# Altium PCB PowerBoard.PcbDoc (part 4 of 4)
Units mm, origin at the board's own origin, x right, y up, seen from the top; angles counter-clockwise.
Board outline 214 x 155 mm, 4 copper layers (Top Layer, GND, VCC, Bottom Layer), stack 0.603 mm thick; 425 components, 261 nets, 1488 pads, 825 vias.
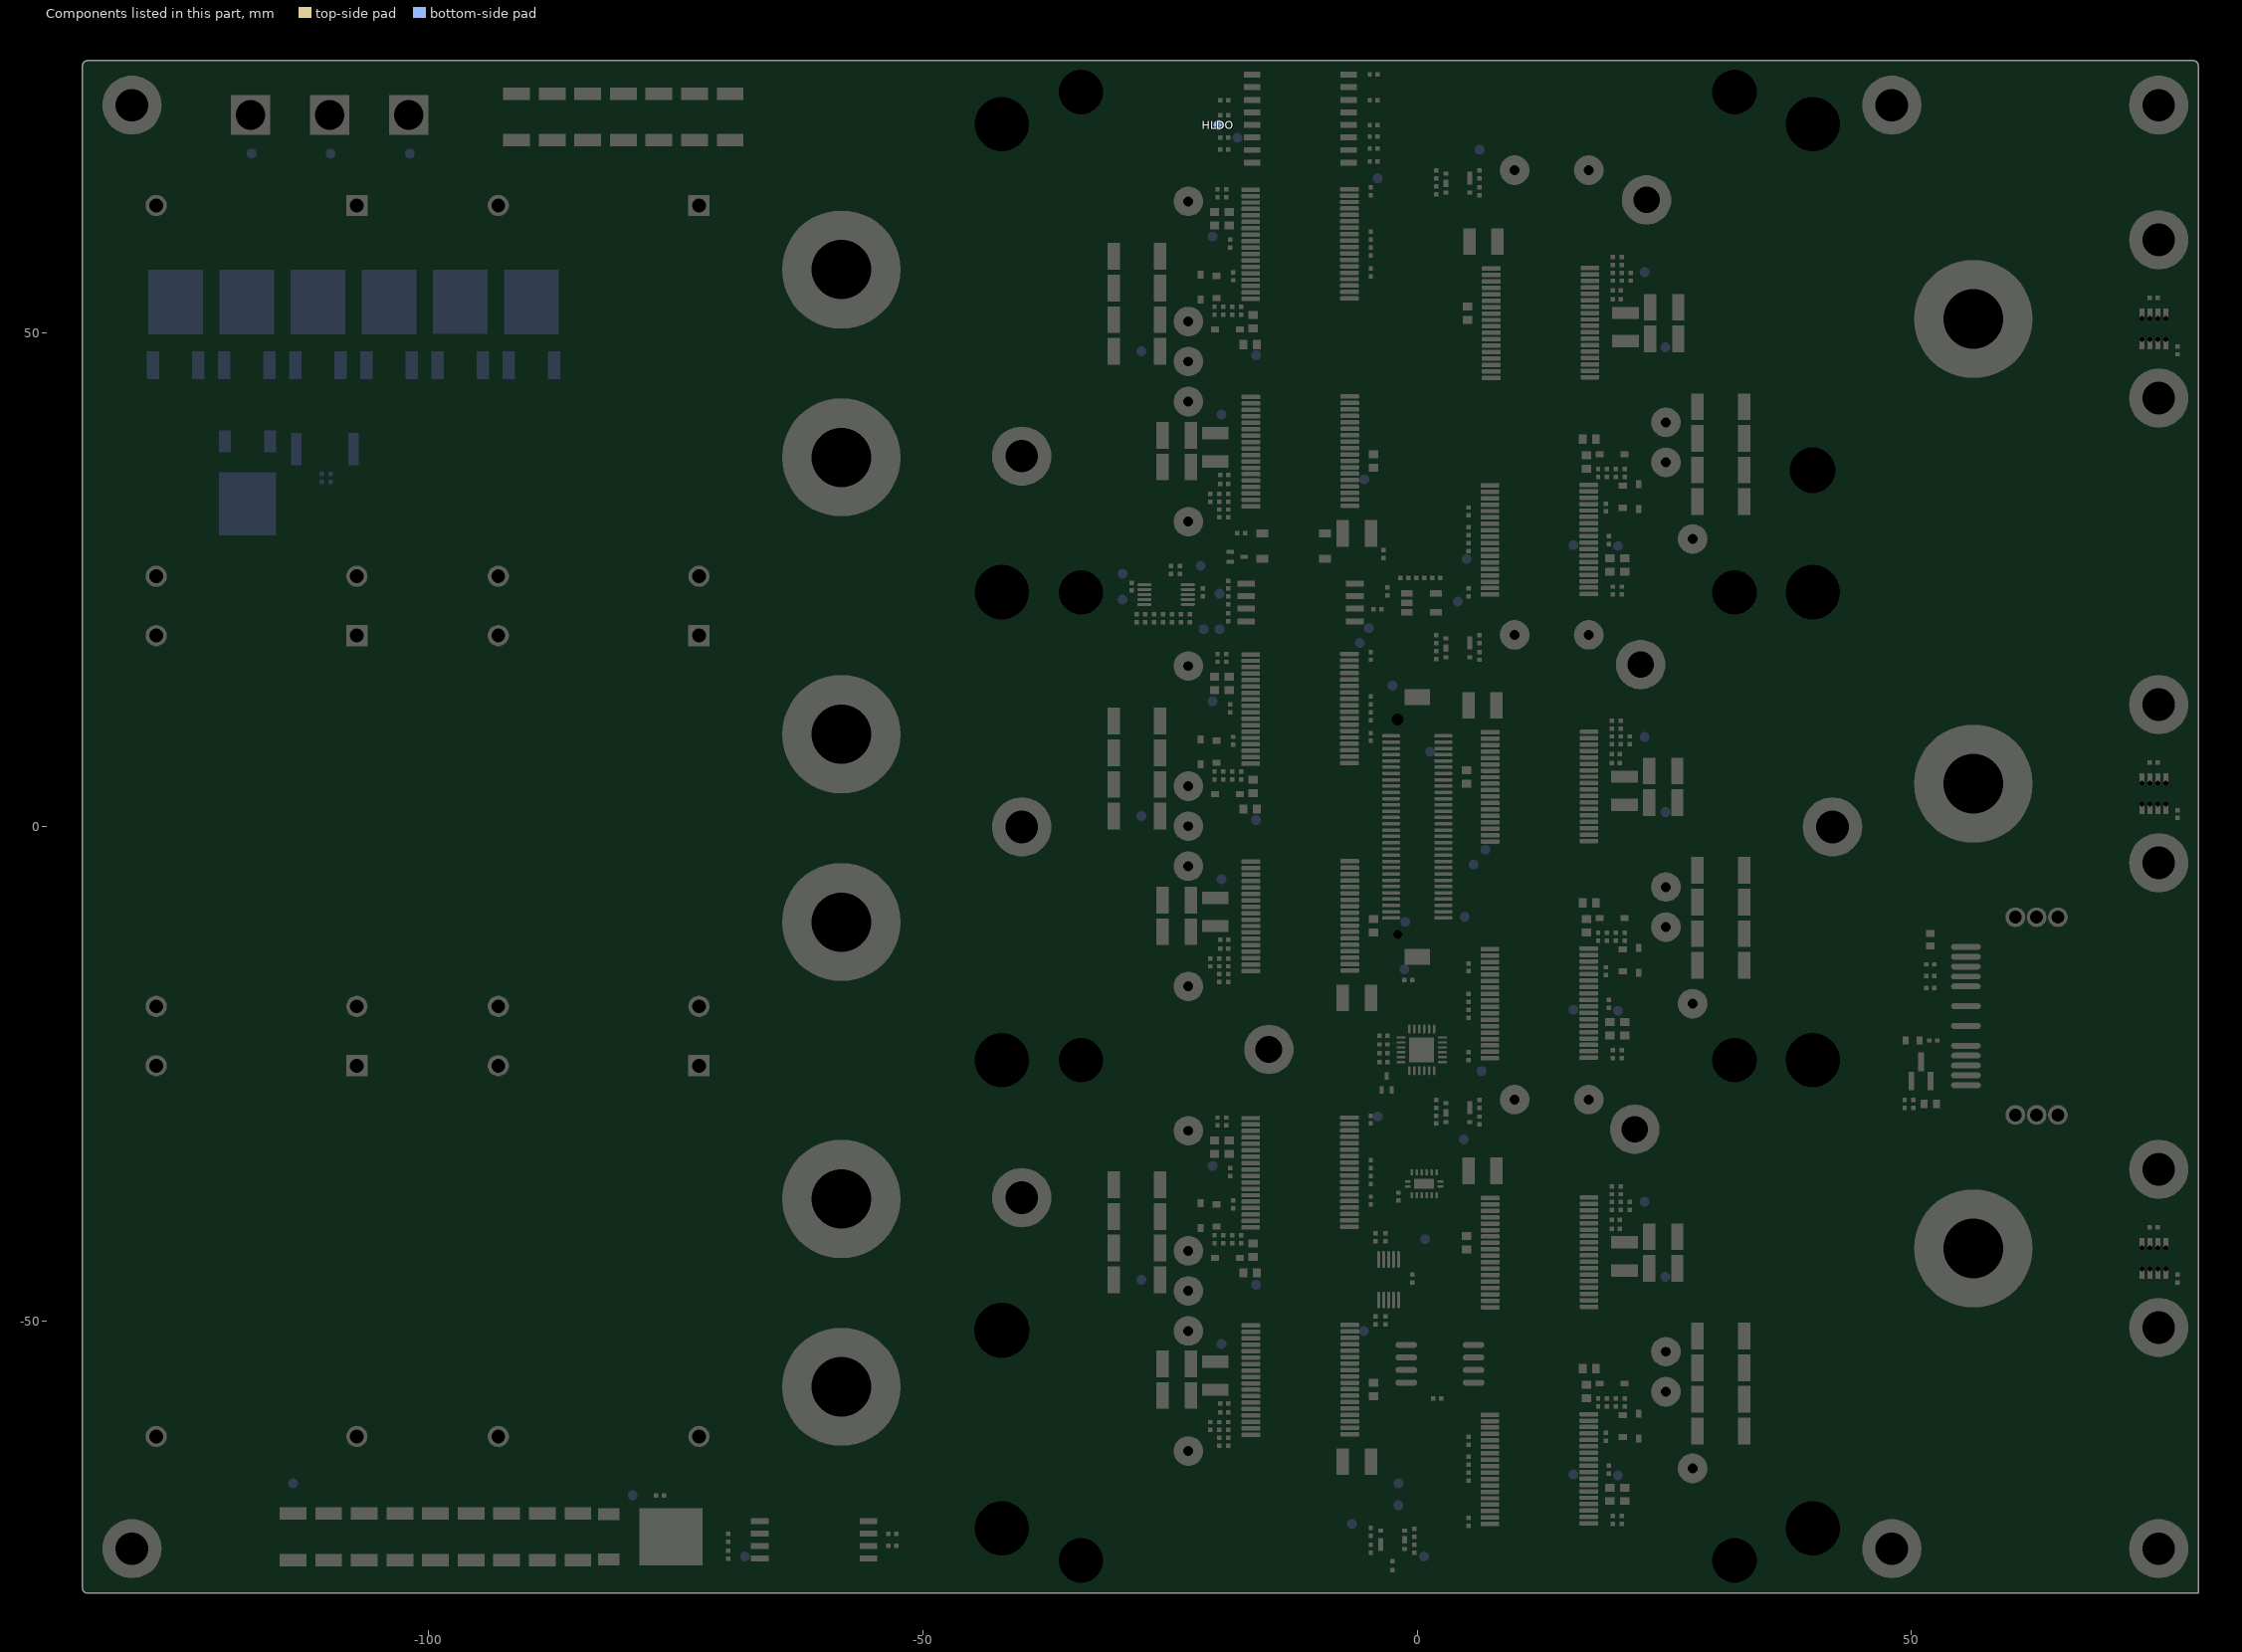
[diagram p6: the components of this part, seen from the top]

## Polygon pours and split planes (outlines as drawn) (continued)
DRV_VDD_DRVL2 on Top Layer "NONET_L01_P-001" (solid, pour order 371): -15.825,-9 -23.925,-9 -23.925,-12.1 -21.225,-12.1 -21.225,-10.8 -18.525,-10.8 -18.525,-10.3 -15.825,-10.3
NetC7_DRVL2_1 on Top Layer "NONET_L01_P-001" (solid, pour order 370): -15.6,17.1 -18.6,17.1 -18.6,16 -21.2,16 -21.2,14.4 -18,14.4 -18,16.5 -15.6,16.5
DRV_VEE_DRVL2 on Top Layer "NONET_L01_P-001" (solid, pour order 369): -15.6,17.1 -15.6,10.6 -17.9,10.6 -17.9,10 -15,10 -15,18 -21.2,18 -21.2,17.1
NetD1_DRVL2_2 on Top Layer "NONET_L01_P-001" (solid, pour order 368): -18.4,2.85 -17.4,2.85 -17.4,5.138 -18.4,5.138
DRV_COM_DRVL2 on Top Layer "NONET_L01_P-001" (solid, pour order 367): 19 vertices, not listed, extent -24.7,-2.4 -15.9,5.7
NetD1_DRVL2_1 on Top Layer "NONET_L01_P-001" (solid, pour order 366): -19.7,7.1 -21.4,7.1 -21.4,2.9 -19.7,2.9 -19.7,4.5 -20.8,4.5 -20.8,5.9 -19.7,5.9
NetC1_DRVL2_1 on Top Layer "NONET_L01_P-001" (solid, pour order 365): -19.2,8 -19.2,9.3 -22.8,9.3 -22.8,7.1 -19.7,7.1 -19.7,5.9 -20.8,5.9 -20.8,5.3 -19,5.3 -19,6.618 -18.918,6.7 -17.8,6.7 -17.8,7.4 -15,7.4 -15,8
DRV_VDD_DRVL2 on Top Layer "NONET_L01_P-001" (solid, pour order 364): -17.8,7.4 -15,7.4 -15,-2.4 -16.8,-2.4 -16.8,2.8 -15.9,2.8 -15.9,4 -17.2,4 -17.2,6.1 -15.862,6.1 -15.862,6.7 -17.8,6.7
NetC2_DRVL2_1 on Top Layer "NONET_L01_P-001" (solid, pour order 363): -15.7,6.7 -19,6.7 -19,5.3 -17.2,5.3 -17.2,6.1 -15.7,6.1
NetC4_DRVL2_2 on Top Layer "NONET_L01_P-001" (solid, pour order 362): -19.3,12.8 -19.3,11.9 -15.8,11.9 -15.8,12.6 -18.2,12.6 -18.4,12.8
DRV_COM_DRVL2 on Top Layer "NONET_L01_P-001" (solid, pour order 361): -15.8,11.9 -19.3,11.9 -19.3,12.8 -18,12.8 -18,14.4 -21.2,14.4 -21.2,11.3 -15.8,11.3
DRV_VDD_DRVL3 on Top Layer "NONET_L01_P-001" (solid, pour order 360): -23,33.3 -20.5,33.3 -20.5,32.3 -23,32.3
DRV_VEE_DRVL3 on Top Layer "NONET_L01_P-001" (solid, pour order 182): -15.825,36.573 -18.525,36.573 -18.525,35.344 -15.825,35.344 -15.825,33.3 -20.425,33.3 -20.425,31.7 -15,31.7 -15,44.6 -20.725,44.6 -20.725,41.1 -23.925,41.1 -23.925,38 -15.825,38
DRV_COM_DRVL3 on Top Layer "NONET_L01_P-001" (solid, pour order 164): -23.925,41.1 -20.725,41.1 -20.725,45.1 -26.9,45.1 -26.9,34.1 -19.525,34.1 -19.525,36.2 -21.225,36.2 -21.225,34.9 -23.925,34.9
DRV_VDD_DRVL3 on Top Layer "NONET_L01_P-001" (solid, pour order 159): -15.825,38 -23.925,38 -23.925,34.9 -21.225,34.9 -21.225,36.2 -18.525,36.2 -18.525,36.7 -15.825,36.7
IS_FBVEE_ISU6 on Top Layer "NONET_L01_P-001" (solid, pour order 170): -20.425,31.7 -20.425,30.5 -15,30.5 -15,31.7
DRV_COM_DRVL3 on Top Layer "NONET_L01_P-001" (solid, pour order 104): -15.8,58.9 -19.3,58.9 -19.3,59.8 -18,59.8 -18,61.4 -21.2,61.4 -21.2,58.3 -15.8,58.3
NetC4_DRVL3_2 on Top Layer "NONET_L01_P-001" (solid, pour order 105): -19.3,59.8 -19.3,58.9 -15.8,58.9 -15.8,59.6 -18.2,59.6 -18.4,59.8
DRV_VDD_DRVL3 on Top Layer "NONET_L01_P-001" (solid, pour order 108): -17.8,54.4 -15,54.4 -15,44.6 -16.8,44.6 -16.8,49.8 -15.9,49.8 -15.9,51 -17.2,51 -17.2,53.1 -15.862,53.1 -15.862,53.7 -17.8,53.7
NetC2_DRVL3_1 on Top Layer "NONET_L01_P-001" (solid, pour order 107): -15.7,53.7 -19,53.7 -19,52.3 -17.2,52.3 -17.2,53.1 -15.7,53.1
NetC1_DRVL3_1 on Top Layer "NONET_L01_P-001" (solid, pour order 111): -19.2,55 -19.2,56.3 -22.8,56.3 -22.8,54.1 -19.7,54.1 -19.7,52.9 -20.8,52.9 -20.8,52.3 -19,52.3 -19,53.618 -18.918,53.7 -17.8,53.7 -17.8,54.4 -15,54.4 -15,55
NetD1_DRVL3_1 on Top Layer "NONET_L01_P-001" (solid, pour order 119): -19.7,54.1 -21.4,54.1 -21.4,49.9 -19.7,49.9 -19.7,51.5 -20.8,51.5 -20.8,52.9 -19.7,52.9
NetD1_DRVL3_2 on Top Layer "NONET_L01_P-001" (solid, pour order 135): -18.4,49.85 -17.4,49.85 -17.4,52.138 -18.4,52.138
DRV_VEE_DRVL3 on Top Layer "NONET_L01_P-001" (solid, pour order 141): -15.6,64.1 -15.6,57.6 -17.9,57.6 -17.9,57 -15,57 -15,65 -21.2,65 -21.2,64.1
NetC7_DRVL3_1 on Top Layer "NONET_L01_P-001" (solid, pour order 147): -15.6,64.1 -18.6,64.1 -18.6,63 -21.2,63 -21.2,61.4 -18,61.4 -18,63.5 -15.6,63.5
NetR9_DRVL3_2 on Top Layer "NONET_L01_P-001" (solid, pour order 195): -29.95,56.1 -29.95,59.3 -32.55,59.3 -32.55,46.5 -29.95,46.5 -29.95,49.7 -31.55,49.7 -31.55,56.1
NetR7_DRVL3_2 on Top Layer "NONET_L01_P-001" (solid, pour order 196): -29.95,49.7 -31.55,49.7 -31.55,56.1 -29.95,56.1
DRV_COM_DRVL3 on Top Layer "NONET_L01_P-001" (solid, pour order 237): -21.2,63 -18.6,63 -18.6,64.1 -21.2,64.1
DRV_COM_DRVL3 on Top Layer "NONET_L01_P-001" (solid, pour order 129): 19 vertices, not listed, extent -24.7,44.6 -15.9,52.7
DRV_VDD_DRVH1 on Top Layer "NONET_L01_P-001" (solid, pour order 359): 21.3,-37.4 23.5,-37.4 23.5,-38.4 21.3,-38.4
NetR7_DRVH1_2 on Top Layer "NONET_L01_P-001" (solid, pour order 357): 32.3,-53.1 33.9,-53.1 33.9,-59.5 32.3,-59.5
NetR9_DRVH1_2 on Top Layer "NONET_L01_P-001" (solid, pour order 353): 32.3,-59.5 32.3,-62.7 34.9,-62.7 34.9,-49.9 32.3,-49.9 32.3,-53.1 33.9,-53.1 33.9,-59.5
IS_FBVEE_ISU1 on Top Layer "NONET_L01_P-001" (solid, pour order 343): 21.075,-36.75 21.075,-35.55 15.5,-35.55 15.5,-36.75
DRV_COM_DRVH1 on Top Layer "NONET_L01_P-001" (solid, pour order 342): 21.875,-41.25 20.175,-41.25 20.175,-39.15 27.275,-39.15 27.275,-49.9 24.575,-49.9 24.575,-39.95 21.875,-39.95
DRV_VDD_DRVH1 on Top Layer "NONET_L01_P-001" (solid, pour order 341): 16.475,-43.05 24.575,-43.05 24.575,-39.95 21.875,-39.95 21.875,-41.25 19.175,-41.25 19.175,-41.75 16.475,-41.75
NetC7_DRVH1_1 on Top Layer "NONET_L01_P-001" (solid, pour order 340): 16.1,-70.1 19.1,-70.1 19.1,-69 21.7,-69 21.7,-67.4 18.5,-67.4 18.5,-69.5 16.1,-69.5
NetD1_DRVH1_2 on Top Layer "NONET_L01_P-001" (solid, pour order 338): 18.9,-55.85 17.9,-55.85 17.9,-58.138 18.9,-58.138
NetD1_DRVH1_1 on Top Layer "NONET_L01_P-001" (solid, pour order 336): 20.2,-60.1 21.9,-60.1 21.9,-55.9 20.2,-55.9 20.2,-57.5 21.3,-57.5 21.3,-58.9 20.2,-58.9
NetC1_DRVH1_1 on Top Layer "NONET_L01_P-001" (solid, pour order 335): 19.7,-61 19.7,-62.3 23.3,-62.3 23.3,-60.1 20.2,-60.1 20.2,-58.9 21.3,-58.9 21.3,-58.3 19.5,-58.3 19.5,-59.618 19.418,-59.7 18.3,-59.7 18.3,-60.4 15.5,-60.4 15.5,-61
DRV_VEE_DRVH1 on Top Layer "NONET_L01_P-001" (solid, pour order 334): 16.475,-41.623 19.175,-41.623 19.175,-40.395 16.475,-40.395 16.475,-38.35 21.075,-38.35 21.075,-36.75 15.5,-36.75 15.5,-49.9 24.575,-49.9 24.575,-43.05 16.475,-43.05
NetC2_DRVH1_1 on Top Layer "NONET_L01_P-001" (solid, pour order 333): 16.2,-59.7 19.5,-59.7 19.5,-58.3 17.7,-58.3 17.7,-59.1 16.2,-59.1
DRV_VDD_DRVH1 on Top Layer "NONET_L01_P-001" (solid, pour order 332): 18.3,-60.4 15.5,-60.4 15.5,-49.9 17.3,-49.9 17.3,-55.8 16.4,-55.8 16.4,-57 17.7,-57 17.7,-59.1 16.362,-59.1 16.362,-59.7 18.3,-59.7
NetC4_DRVH1_2 on Top Layer "NONET_L01_P-001" (solid, pour order 331): 19.8,-65.8 19.8,-64.9 16.3,-64.9 16.3,-65.6 18.7,-65.6 18.9,-65.8
DRV_COM_DRVH1 on Top Layer "NONET_L01_P-001" (solid, pour order 330): 22.6,-67.4 22.6,-70.1 19.1,-70.1 19.1,-69 21.7,-69 21.7,-67.4 18.5,-67.4 18.5,-65.8 19.8,-65.8 19.8,-64.9 16.3,-64.9 16.3,-64.3 22.6,-64.3
DRV_VDD_DRVH2 on Top Layer "NONET_L01_P-001" (solid, pour order 329): 21.3,9.6 23.5,9.6 23.5,8.6 21.3,8.6
NetR7_DRVH2_2 on Top Layer "NONET_L01_P-001" (solid, pour order 327): 32.3,-6.1 33.9,-6.1 33.9,-12.5 32.3,-12.5
NetR9_DRVH2_2 on Top Layer "NONET_L01_P-001" (solid, pour order 326): 32.3,-12.5 32.3,-15.7 34.9,-15.7 34.9,-2.9 32.3,-2.9 32.3,-6.1 33.9,-6.1 33.9,-12.5
IS_FBVEE_ISU3 on Top Layer "NONET_L01_P-001" (solid, pour order 320): 21.075,10.25 21.075,11.45 15.5,11.45 15.5,10.25
DRV_COM_DRVH2 on Top Layer "NONET_L01_P-001" (solid, pour order 319): 21.875,5.75 20.175,5.75 20.175,7.85 27.275,7.85 27.275,-2.9 24.575,-2.9 24.575,7.05 21.875,7.05
DRV_VDD_DRVH2 on Top Layer "NONET_L01_P-001" (solid, pour order 318): 16.475,3.95 24.575,3.95 24.575,7.05 21.875,7.05 21.875,5.75 19.175,5.75 19.175,5.25 16.475,5.25
NetC7_DRVH2_1 on Top Layer "NONET_L01_P-001" (solid, pour order 317): 16.1,-23.1 19.1,-23.1 19.1,-22 21.7,-22 21.7,-20.4 18.5,-20.4 18.5,-22.5 16.1,-22.5
DRV_VEE_DRVH2 on Top Layer "NONET_L01_P-001" (solid, pour order 316): 16.5,-23.1 16.5,-16.6 18.4,-16.6 18.4,-16 15.5,-16 15.5,-24 22.6,-24 22.6,-23.1
NetD1_DRVH2_2 on Top Layer "NONET_L01_P-001" (solid, pour order 315): 18.9,-8.85 17.9,-8.85 17.9,-11.138 18.9,-11.138
NetD1_DRVH2_1 on Top Layer "NONET_L01_P-001" (solid, pour order 313): 20.2,-13.1 21.9,-13.1 21.9,-8.9 20.2,-8.9 20.2,-10.5 21.3,-10.5 21.3,-11.9 20.2,-11.9
NetC1_DRVH2_1 on Top Layer "NONET_L01_P-001" (solid, pour order 312): 19.7,-14 19.7,-15.3 23.3,-15.3 23.3,-13.1 20.2,-13.1 20.2,-11.9 21.3,-11.9 21.3,-11.3 19.5,-11.3 19.5,-12.618 19.418,-12.7 18.3,-12.7 18.3,-13.4 15.5,-13.4 15.5,-14
DRV_VEE_DRVH2 on Top Layer "NONET_L01_P-001" (solid, pour order 311): 16.475,5.377 19.175,5.377 19.175,6.605 16.475,6.605 16.475,8.65 21.075,8.65 21.075,10.25 15.5,10.25 15.5,-2.9 24.575,-2.9 24.575,3.95 16.475,3.95
NetC2_DRVH2_1 on Top Layer "NONET_L01_P-001" (solid, pour order 310): 16.2,-12.7 19.5,-12.7 19.5,-11.3 17.7,-11.3 17.7,-12.1 16.2,-12.1
DRV_VDD_DRVH2 on Top Layer "NONET_L01_P-001" (solid, pour order 309): 18.3,-13.4 15.5,-13.4 15.5,-2.9 17.3,-2.9 17.3,-8.8 16.4,-8.8 16.4,-10 17.7,-10 17.7,-12.1 16.362,-12.1 16.362,-12.7 18.3,-12.7
NetC4_DRVH2_2 on Top Layer "NONET_L01_P-001" (solid, pour order 308): 19.8,-18.8 19.8,-17.9 16.3,-17.9 16.3,-18.6 18.7,-18.6 18.9,-18.8
DRV_COM_DRVH2 on Top Layer "NONET_L01_P-001" (solid, pour order 307): 22.6,-20.4 22.6,-23.1 19.1,-23.1 19.1,-22 21.7,-22 21.7,-20.4 18.5,-20.4 18.5,-18.8 19.8,-18.8 19.8,-17.9 16.3,-17.9 16.3,-17.3 22.6,-17.3
DRV_VDD_DRVH3 on Top Layer "NONET_L01_P-001" (solid, pour order 306): 21.3,56.6 23.5,56.6 23.5,55.6 21.3,55.6
NetC26_2 on Top Layer "NONET_L01_P-001" (solid, pour order 90): -15.6,74.2 -15.6,75.3 -20.8,75.3 -20.8,76.5 -15.2,76.5 -15.2,73 -19.5,73 -19.5,74.2
N on Top Layer "NONET_L01_P-001" (solid, pour order 305): -19.5,69.3 -20.8,69.3 -20.8,75.2 -15.8,75.2 -15.8,74.2 -19.5,74.2
N on Top Layer "NONET_L01_P-001" (solid, pour order 304): -19.5,68.2 -17.8,68.2 -17.8,69.3 -15.7,69.3 -15.7,66.8 -19.5,66.8
GND on Top Layer "NONET_L01_P-001" (solid, pour order 279): 3.4,-23.2 8.4,-23.2 8.4,-24.3 3.4,-24.3
GND on Top Layer "NONET_L01_P-001" (solid, pour order 207): 8.4,-23.1 3.9,-23.1 3.9,-23.9 8.4,-23.9
+3V3 on Top Layer "NONET_L01_P-001" (solid, pour order 295): -2.3,-37.3 -2.3,-35.5 -0.5,-35.5 -0.5,-36.1 -1.5,-36.1 -1.5,-37.3
GND on Top Layer "NONET_L01_P-001" (solid, pour order 294): -5,-35.6 -4.4,-35.6 -4.4,-34.875 -3.3,-34.875 -3.3,-36.3 -5,-36.3
GND on Top Layer "NONET_L01_P-001" (solid, pour order 292): -5,58.2 -3.3,58.2 -3.3,57.5 -5,57.5
GND on Top Layer "NONET_L01_P-001" (solid, pour order 290): 4.9,29 4.1,29 4.1,30.6 5.5,30.6 5.5,29.9 4.9,29.9
+3V3 on Top Layer "NONET_L01_P-001" (solid, pour order 209): 8.3,29.6 5.5,29.6 5.5,29.9 4.9,29.9 4.9,29 8.3,29
GND on Top Layer "NONET_L01_P-001" (solid, pour order 289): 4.8,-17.3 6.55,-17.3 6.55,-16.55 6.1,-16.1 4.8,-16.1
+3V3 on Top Layer "NONET_L01_P-001" (solid, pour order 211): 8.3,-17.3 4.8,-17.3 4.8,-18.1 5.5,-18.1 8.3,-18.1
GND on Top Layer "NONET_L01_P-001" (solid, pour order 229): 4.4,3.65 6.35,3.65 6.35,-1.8 9.2,-1.8 9.2,15.4 4.4,15.4
GND on Top Layer "NONET_L01_P-001" (solid, pour order 266): 0.3,-26.8 0.3,-30.4 6.721,-30.4 6.721,-26.8
GND on Top Layer "NONET_L01_P-001" (solid, pour order 267): 0.3,67.2 0.3,63.6 6.721,63.6 6.721,67.2
NetC36_1 on Top Layer "NONET_L01_P-001" (solid, pour order 288): -2.6,70.562 -2.6,68.3 -3.5,68.3 -4.4,68.3 -4.4,70.562
NetC36_2 on Top Layer "NONET_L01_P-001" (solid, pour order 100): -4.4,69.2 -5.2,69.2 -5.2,68 -4.4,68 -4.4,66.1 -2.6,66.1 -2.6,68.3 -4.4,68.3
GND on Top Layer "NONET_L01_P-001" (solid, pour order 287): -4.4,71.7 -2.6,71.7 -2.6,70.562 -4.4,70.562
+3V3 on Top Layer "NONET_L01_P-001" (solid, pour order 256): -8.3,71.7 -6,71.7 -6,72.8 -4.4,72.8 -4.4,74.3 -2.6,74.3 -2.6,71.7 -4.4,71.7 -4.4,70.4 -8.3,70.4
NetP1_42 on Top Layer "NONET_L01_P-001" (solid, pour order 250): -5.838,72.8 -5.838,72.3 -4.4,72.3 -4.4,74.3 -8,74.3 -8,72.8
NetC6_DRVH3_2 on Top Layer "NONET_L01_P-001" (solid, pour order 285): 8.4,23.8 4.8,23.8 4.8,24.5 8.4,24.5
GND on Top Layer "NONET_L01_P-001" (solid, pour order 283): 6.4,-11.1 9.2,-11.1 9.2,-12.6 6.4,-12.6
NetC6_DRVH2_2 on Top Layer "NONET_L01_P-001" (solid, pour order 205): 8.4,-23.1 3.9,-23.1 3.9,-22.4 8.4,-22.4
GND on Top Layer "NONET_L01_P-001" (solid, pour order 282): 2.1,-55.5 7,-55.5 7,-56.7 2.1,-56.7 2.1,-59.75 8.4,-59.75 8.4,-51.8 2.1,-51.8
NetC6_DRVH1_2 on Top Layer "NONET_L01_P-001" (solid, pour order 206): 8.4,-70.2 3.9,-70.2 3.9,-69.5 8.4,-69.5
NetC6_DRVL1_2 on Top Layer "NONET_L01_P-001" (solid, pour order 200): -7.9,-29.7 -3.4,-29.7 -3.4,-30.4 -7.9,-30.4
GND on Top Layer "NONET_L01_P-001" (solid, pour order 281): 8.3,34.3 5.5,34.3 5.5,35.8 8.3,35.8
+3V3 on Top Layer "NONET_L01_P-001" (solid, pour order 91): 4.2,23.2 1.2,23.2 1.2,24.3 1.9,24.3 1.9,25.75 4.2,25.75
+3V3 on Top Layer "NONET_L01_P-001" (solid, pour order 277): 1.6,-14.9 -0.8,-14.9 -0.8,-15.9 2.8,-15.9 2.8,-13.1 5.5,-13.1 5.5,-5.1 1.6,-5.1
+24V on Top Layer "NONET_L01_P-001" (solid, pour order 95): -4.4,-5.1 -0.8,-5.1 -0.8,-10.2 -3.7,-10.2 -3.7,-8.6 -4.4,-8.6
GND on Top Layer "NONET_L01_P-001" (solid, pour order 236): 4.5,45.1 9.3,45.1 9.3,61.6 4.5,61.6
+24V on Top Layer "Top Layer-No Net" (solid, pour order 125): 9.3,52.2 9.3,61.6 6.7,61.6 6.7,56.7 8.5,56.7 8.5,53.5 5.6,53.5 5.6,54.4 4.5,54.4 4.5,52.2
GND on Top Layer "NONET_L01_P-001" (solid, pour order 230): 4.4,-48.9 9.2,-48.9 9.2,-33.3 4.4,-33.3
GND on Top Layer "NONET_L01_P-001" (solid, pour order 218): -4.4,-5.1 -3.6,-5.1 -3.6,-2.9 -8.65,-2.9 -8.65,-19.7 -3.85,-19.7 -3.85,-8.6 -4.4,-8.6
GND on Top Layer "NONET_L01_P-001" (solid, pour order 204): -3.4,-28.4 -1.7,-28.4 -1.7,-26.3 -3.1,-26.3 -3.1,-27.5 -7.9,-27.5 -7.9,-29.7 -3.4,-29.7
GND on Top Layer "NONET_L01_P-001" (solid, pour order 208): 8.4,-70.2 3.9,-70.2 3.9,-71.8 8.4,-71.8
+3V3 on Top Layer "NONET_L01_P-001" (solid, pour order 210): 8.3,-64.2 4.8,-64.2 4.8,-64.9 5.5,-64.9 8.3,-64.9
NetC7_DRVH3_1 on Top Layer "NONET_L01_P-001" (solid, pour order 179): 16.1,23.9 19.1,23.9 19.1,25 21.7,25 21.7,26.6 18.5,26.6 18.5,24.5 16.1,24.5
DRV_VEE_DRVH3 on Top Layer "NONET_L01_P-001" (solid, pour order 176): 16.5,23.9 16.5,30.4 18.4,30.4 18.4,31 15.5,31 15.5,23 22.6,23 22.6,23.9
NetD1_DRVH3_2 on Top Layer "NONET_L01_P-001" (solid, pour order 173): 18.9,38.15 17.9,38.15 17.9,35.862 18.9,35.862
NetD1_DRVH3_1 on Top Layer "NONET_L01_P-001" (solid, pour order 161): 20.2,33.9 21.9,33.9 21.9,38.1 20.2,38.1 20.2,36.5 21.3,36.5 21.3,35.1 20.2,35.1
NetC1_DRVH3_1 on Top Layer "NONET_L01_P-001" (solid, pour order 155): 19.7,33 19.7,31.7 23.3,31.7 23.3,33.9 20.2,33.9 20.2,35.1 21.3,35.1 21.3,35.7 19.5,35.7 19.5,34.382 19.418,34.3 18.3,34.3 18.3,33.6 15.5,33.6 15.5,33
NetC2_DRVH3_1 on Top Layer "NONET_L01_P-001" (solid, pour order 149): 16.2,34.3 19.5,34.3 19.5,35.7 17.7,35.7 17.7,34.9 16.2,34.9
DRV_VDD_DRVH3 on Top Layer "NONET_L01_P-001" (solid, pour order 143): 18.3,33.6 15.5,33.6 15.5,44.1 17.3,44.1 17.3,38.2 16.4,38.2 16.4,37 17.7,37 17.7,34.9 16.362,34.9 16.362,34.3 18.3,34.3
NetC4_DRVH3_2 on Top Layer "NONET_L01_P-001" (solid, pour order 137): 19.8,28.2 19.8,29.1 16.3,29.1 16.3,28.4 18.7,28.4 18.9,28.2
DRV_COM_DRVH3 on Top Layer "NONET_L01_P-001" (solid, pour order 131): 22.6,26.6 22.6,23.9 19.1,23.9 19.1,25 21.7,25 21.7,26.6 18.5,26.6 18.5,28.2 19.8,28.2 19.8,29.1 16.3,29.1 16.3,29.7 22.6,29.7
NetR9_DRVH3_2 on Top Layer "NONET_L01_P-001" (solid, pour order 193): 32.3,34.5 32.3,31.3 34.9,31.3 34.9,44.1 32.3,44.1 32.3,40.9 33.9,40.9 33.9,34.5
NetR7_DRVH3_2 on Top Layer "NONET_L01_P-001" (solid, pour order 194): 32.3,40.9 33.9,40.9 33.9,34.5 32.3,34.5
+24V on Top Layer "NONET_L01_P-001" (solid, pour order 217): 4.4,-39.6 5.5,-39.6 5.5,-40.5 8.4,-40.5 8.4,-41.8 4.4,-41.8
IS_FBVEE_ISU5 on Top Layer "NONET_L01_P-001" (solid, pour order 191): 21.075,57.25 21.075,58.45 15.5,58.45 15.5,57.25
DRV_COM_DRVH3 on Top Layer "NONET_L01_P-001" (solid, pour order 188): 21.875,52.75 20.175,52.75 20.175,54.85 27.275,54.85 27.275,44.1 24.575,44.1 24.575,54.05 21.875,54.05
DRV_VDD_DRVH3 on Top Layer "NONET_L01_P-001" (solid, pour order 185): 16.475,50.95 24.575,50.95 24.575,54.05 21.875,54.05 21.875,52.75 19.175,52.75 19.175,52.25 16.475,52.25
DRV_VEE_DRVH3 on Top Layer "NONET_L01_P-001" (solid, pour order 153): 16.475,52.377 19.175,52.377 19.175,53.605 16.475,53.605 16.475,55.65 21.075,55.65 21.075,57.25 15.5,57.25 15.5,44.1 24.575,44.1 24.575,50.95 16.475,50.95
+24V on Top Layer "NONET_L01_P-001" (solid, pour order 216): 4.5,54.4 5.6,54.4 5.6,53.5 8.5,53.5 8.5,52.2 4.5,52.2
+3V3 on Top Layer "NONET_L01_P-001" (solid, pour order 214): -7.8,-35.6 -4.4,-35.6 -4.4,-34.8 -7.8,-34.8
GND on Top Layer "NONET_L01_P-001" (solid, pour order 265): -5.9,-41.4 -2,-41.4 -2,-40.2 -7.8,-40.2 -7.8,-42.3 -5.9,-42.3
NetC6_DRVL3_2 on Top Layer "NONET_L01_P-001" (solid, pour order 199): -7.9,64.2 -3.4,64.2 -3.4,63.5 -7.9,63.5
GND on Top Layer "NONET_L01_P-001" (solid, pour order 203): -7.9,64.2 -3.4,64.2 -3.4,65 -7.9,65
+3V3 on Top Layer "NONET_L01_P-001" (solid, pour order 213): -7.8,58.2 -5,58.2 -4.3,58.2 -4.3,59 -7.8,59
GND on Top Layer "NONET_L01_P-001" (solid, pour order 262): -7.8,53.7 -5.9,53.7 -5.9,52.3 -7.8,52.3
NetR30_2 on Top Layer "NONET_L01_P-001" (solid, pour order 257): -4.4,68 -5.2,68 -5.2,69.2 -8.3,69.2 -8.4,69.1 -8.4,67.7 -5.8,67.7 -5.8,66.8 -4.4,66.8
NetR27_2 on Top Layer "NONET_L01_P-001" (solid, pour order 99): -8.3,70.4 -4.4,70.4 -4.4,69.2 -8.3,69.2
GND on Top Layer "NONET_L01_P-001" (solid, pour order 254): -8,75.6 -4.4,75.6 -4.4,76.5 -2.6,76.5 -2.6,74.3 -8,74.3
NetC27_1 on Top Layer "NONET_L01_P-001" (solid, pour order 241): -4.4,76.5 -8.4,76.5 -8.4,71.8 -8.3,71.7 -6,71.7 -6,72.8 -8,72.8 -8,75.6 -4.4,75.6
HLDO on Top Layer "NONET_L01_P-001" (solid, pour order 240): -19.5,73 -17.8,73 -17.8,71.5 -15.7,71.5 -15.7,70.4 -19.5,70.4
NetC37_2 on Top Layer "NONET_L01_P-001" (solid, pour order 238): -19.5,68.2 -17.8,68.2 -17.8,69.3 -15.7,69.3 -15.7,70.4 -19.5,70.4
+24V on Top Layer "Top Layer-No Net 5" (solid, pour order 117): 9.2,5.3 9.2,15.4 7.2,15.4 7.2,9.8 8.4,9.8 8.4,6.6 5.5,6.6 5.5,7.5 4.4,7.5 4.4,5.3
+24V on Top Layer "NONET_L01_P-001" (solid, pour order 215): 4.4,7.5 5.5,7.5 5.5,6.6 8.4,6.6 8.4,5.3 4.4,5.3
GND on Top Layer "NONET_L01_P-001" (solid, pour order 201): -7.9,17.2 -3.4,17.2 -3.4,18 -7.9,18
NetC6_DRVL2_2 on Top Layer "NONET_L01_P-001" (solid, pour order 198): -7.9,17.2 -3.4,17.2 -3.4,16.5 -7.9,16.5
+3V3 on Top Layer "NONET_L01_P-001" (solid, pour order 464): -53.1,-70.8 -53.1,-71.9 -56.5,-71.9 -56.5,-70.8
NetR42_2 on Top Layer "NONET_L01_P-001" (solid, pour order 465): -56.5,-72.2 -53.1,-72.2 -53.1,-73.2 -56.5,-73.2
GND on Top Layer "NONET_L01_P-001" (solid, pour order 446): -56.5,-70.8 -53.1,-70.8 -53.1,-73.2 -51.5,-73.2 -51.5,-69.8 -56.5,-69.8
NetR32_1 on Top Layer "NONET_L01_P-001" (solid, pour order 445): -115.1,-73.5 -114.5,-73.5 -111.5,-70.5 -111.5,-68.8 -108.7,-68.8 -108.7,-70.1 -109.6,-70.1 -112.3,-72.8 -112.3,-74.8 -115.1,-74.8
NetR33_2 on Top Layer "NONET_L01_P-001" (solid, pour order 444): -111.5,-73.5 -110.9,-73.5 -107.9,-70.5 -107.9,-68.8 -105.1,-68.8 -105.1,-70.1 -106,-70.1 -108.7,-72.8 -108.7,-74.8 -111.5,-74.8
NetQ2_4 on Top Layer "NONET_L01_P-001" (solid, pour order 443): -86.3,-73.5 -85.7,-73.5 -83.4,-71.2 -75.2,-71.2 -75.2,-72.3 -83,-72.3 -83.5,-72.8 -83.5,-74.8 -86.3,-74.8
N on Top Layer "NONET_L01_P-001" (solid, pour order 88): -70,-73.6 -70.1,-73.7 -70.1,-75 -79.2,-75 -79.2,-73.4 -83,-73.4 -83,-76.2 -65.6,-76.2 -65.6,-73.2 -69.3,-73.2 -69.3,-73.6
NetC38_1 on Top Layer "NONET_L01_P-001" (solid, pour order 87): -70.1,-71.9 -70.1,-71.1 -65.6,-71.1 -65.6,-71.9 -69.3,-71.9
NetC38_2 on Top Layer "NONET_L01_P-001" (solid, pour order 442): -65.6,-71.9 -65.6,-73.2 -69.3,-73.2 -69.3,-73.6 -70.1,-73.6 -70.1,-71.9 -69.3,-71.9
NetR39_2 on Top Layer "NONET_L01_P-001" (solid, pour order 434): -89.9,-73.5 -89.3,-73.5 -86.3,-70.5 -86.3,-68.8 -83.5,-68.8 -83.5,-70.1 -84.4,-70.1 -87.1,-72.8 -87.1,-74.8 -89.9,-74.8
NetR38_1 on Top Layer "NONET_L01_P-001" (solid, pour order 433): -93.5,-73.5 -92.9,-73.5 -89.9,-70.5 -89.9,-68.8 -87.1,-68.8 -87.1,-70.1 -88,-70.1 -90.7,-72.8 -90.7,-74.8 -93.5,-74.8
NetR37_2 on Top Layer "NONET_L01_P-001" (solid, pour order 432): -97.1,-73.5 -96.5,-73.5 -93.5,-70.5 -93.5,-68.8 -90.7,-68.8 -90.7,-70.1 -91.6,-70.1 -94.3,-72.8 -94.3,-74.8 -97.1,-74.8
NetR36_1 on Top Layer "NONET_L01_P-001" (solid, pour order 431): -100.7,-73.5 -100.1,-73.5 -97.1,-70.5 -97.1,-68.8 -94.3,-68.8 -94.3,-70.1 -95.2,-70.1 -97.9,-72.8 -97.9,-74.8 -100.7,-74.8
NetR35_2 on Top Layer "NONET_L01_P-001" (solid, pour order 423): -104.3,-73.5 -103.7,-73.5 -100.7,-70.5 -100.7,-68.8 -97.9,-68.8 -97.9,-70.1 -98.8,-70.1 -101.5,-72.8 -101.5,-74.8 -104.3,-74.8
NetR34_1 on Top Layer "NONET_L01_P-001" (solid, pour order 422): -107.9,-73.5 -107.3,-73.5 -104.3,-70.5 -104.3,-68.8 -101.5,-68.8 -101.5,-70.1 -102.4,-70.1 -105.1,-72.8 -105.1,-74.8 -107.9,-74.8
N on Top Layer "NONET_L01_P-001" (solid, pour order 441): -70.9,74.8 -65.7,74.8 -65.7,73.5 -70.9,73.5
NetR28_2 on Top Layer "NONET_L01_P-001" (solid, pour order 440): -74.5,73.5 -73.9,73.5 -70.9,70.5 -70.9,68.8 -68.1,68.8 -68.1,70.1 -69,70.1 -71.7,72.8 -71.7,74.8 -74.5,74.8
NetR26_1 on Top Layer "NONET_L01_P-001" (solid, pour order 439): -78.1,73.5 -77.5,73.5 -74.5,70.5 -74.5,68.8 -71.7,68.8 -71.7,70.1 -72.6,70.1 -75.3,72.8 -75.3,74.8 -78.1,74.8
NetR25_2 on Top Layer "NONET_L01_P-001" (solid, pour order 438): -81.7,73.5 -81.1,73.5 -78.1,70.5 -78.1,68.8 -75.3,68.8 -75.3,70.1 -76.2,70.1 -78.9,72.8 -78.9,74.8 -81.7,74.8
NetR24_1 on Top Layer "NONET_L01_P-001" (solid, pour order 437): -85.3,73.5 -84.7,73.5 -81.7,70.5 -81.7,68.8 -78.9,68.8 -78.9,70.1 -79.8,70.1 -82.5,72.8 -82.5,74.8 -85.3,74.8
NetR23_2 on Top Layer "NONET_L01_P-001" (solid, pour order 436): -88.9,73.5 -88.3,73.5 -85.3,70.5 -85.3,68.8 -82.5,68.8 -82.5,70.1 -83.4,70.1 -86.1,72.8 -86.1,74.8 -88.9,74.8
NetR22_1 on Top Layer "NONET_L01_P-001" (solid, pour order 435): -92.5,73.5 -91.9,73.5 -88.9,70.5 -88.9,68.8 -86.1,68.8 -86.1,70.1 -87,70.1 -89.7,72.8 -89.7,74.8 -92.5,74.8
CSREF on Bottom Layer "NONET_L01_P-001" (solid, pour order 499): 78.7,56.2 78.7,-47.4 66.3,-47.4 66.3,56.2
NetP2_1 on Bottom Layer "NONET_L01_P-001" (solid, pour order 488): 48.9,-29.8 49.8,-29.8 49.8,-15.2 51.4,-13.6 57.1,-13.6 57.1,-12.6 50.2,-12.6 48.9,-13.9
CSREF on Bottom Layer "NONET_L01_P-001" (solid, pour order 500): 50.3,-25 55.6,-25 56.2,-25.6 68.2,-25.6 68.2,-30.7 50.3,-30.7
N on Bottom Layer "NONET_L01_P-001" (solid, pour order 263): 22 vertices, not listed, extent -134.5,-76.2 -15.7,76.5
NetQ5_3 on Bottom Layer "NONET_L01_P-001" (solid, pour order 463): -116.9,37.8 -114.5,37.8 -114.5,36.5 -112.8,36.5 -112.8,40.4 -116.9,40.4
RECT_VSSS on Bottom Layer "Bottom Layer-NetD7_3" (solid, pour order 459): -108.1,41.1 -108.1,35.8 -97.6,35.8 -97.6,48.613 -100.2,48.613 -100.2,44.1 -112,44.1 -112,48.6 -114.6,48.6 -114.6,44.1 -126.4,44.1 -126.4,48.6 -129,48.6 -129,41.1
+3V3 on Bottom Layer "NONET_L01_P-001" (solid, pour order 448): -6.3,-72.8 -6.3,-75.1 -10.1,-75.1 -10.1,-76.8 -4.7,-76.8 -4.7,-72.8
DRV_COM_DRVL3 on Bottom Layer "NONET_L01_P-001" (solid, pour order 406): 17 vertices, not listed, extent -26.9,33.9 -16.8,64
DRV_COM_DRVL1 on Bottom Layer "NONET_L01_P-001" (solid, pour order 399): 17 vertices, not listed, extent -26.9,-60.1 -16.8,-30
DRV_COM_DRVL2 on Bottom Layer "NONET_L01_P-001" (solid, pour order 405): 17 vertices, not listed, extent -26.9,-13.1 -16.8,17
DRV_COM_DRVH1 on Bottom Layer "NONET_L01_P-001" (solid, pour order 410): 23.3,-39.8 20.8,-39.8 20.8,-38.6 26.9,-38.6 26.9,-55 19.7,-55 19.7,-64.2 20.9,-64.2 20.9,-67.1 22.3,-67.1 22.3,-70 17.9,-70 17.9,-53.1 23.3,-53.1
DRV_COM_DRVH2 on Bottom Layer "NONET_L01_P-001" (solid, pour order 409): 23.3,7.2 20.8,7.2 20.8,8.4 26.9,8.4 26.9,-8 19.7,-8 19.7,-17.2 20.9,-17.2 20.9,-20.1 22.3,-20.1 22.3,-23 17.9,-23 17.9,-6.1 23.3,-6.1
IS_FBVEE_ISU2 on Bottom Layer "NONET_L01_P-001" (solid, pour order 403): -18.9,-59.1 -16.2,-59.1 -16.2,-63.3 -17.7,-63.3 -17.7,-60.1 -18.879,-60.1
NetD1_DRVL1_1 on Bottom Layer "NONET_L01_P-001" (solid, pour order 401): -19.9,-40.9 -19.9,-36.3 -21.5,-36.3 -21.5,-29 -26.9,-29 -26.9,-40.9
IS_FBVEE_ISU4 on Bottom Layer "NONET_L01_P-001" (solid, pour order 379): -18.9,-12.1 -16.2,-12.1 -16.2,-16.3 -17.7,-16.3 -17.7,-13.1 -18.879,-13.1
NetD1_DRVL2_1 on Bottom Layer "NONET_L01_P-001" (solid, pour order 377): -19.9,6.1 -19.9,10.7 -21.5,10.7 -21.5,18 -26.9,18 -26.9,6.1
IS_FBVEE_ISU6 on Bottom Layer "NONET_L01_P-001" (solid, pour order 354): -18.9,34.9 -16.2,34.9 -16.2,30.7 -17.7,30.7 -17.7,33.9 -18.879,33.9
NetD1_DRVL3_1 on Bottom Layer "NONET_L01_P-001" (solid, pour order 351): -19.9,53.1 -19.9,57.7 -21.5,57.7 -21.5,65 -26.9,65 -26.9,53.1
IS_FBVEE_ISU1 on Bottom Layer "NONET_L01_P-001" (solid, pour order 348): 18.2,-35.5 19.8,-35.5 19.8,-40.1 18.2,-40.1
NetD1_DRVH1_1 on Bottom Layer "NONET_L01_P-001" (solid, pour order 347): 30.3,-59.3 30.3,-66.7 21.3,-66.7 21.3,-63.5 20.2,-63.5 20.2,-56.4 22.4,-56.4 22.4,-59.3
IS_FBVEE_ISU3 on Bottom Layer "NONET_L01_P-001" (solid, pour order 325): 18.2,11.5 19.8,11.5 19.8,6.9 18.2,6.9
NetD1_DRVH2_1 on Bottom Layer "NONET_L01_P-001" (solid, pour order 324): 30.3,-12.3 30.3,-19.7 21.3,-19.7 21.3,-16.5 20.2,-16.5 20.2,-9.4 22.4,-9.4 22.4,-12.3
IS_FBVEE_ISU5 on Bottom Layer "NONET_L01_P-001" (solid, pour order 301): 18.2,58.5 19.8,58.5 19.8,53.9 18.2,53.9
NetD1_DRVH3_1 on Bottom Layer "NONET_L01_P-001" (solid, pour order 300): 30.3,34.7 30.3,27.3 21.3,27.3 21.3,30.5 20.2,30.5 20.2,37.6 22.4,37.6 22.4,34.7
DRV_COM_DRVH3 on Bottom Layer "NONET_L01_P-001" (solid, pour order 299): 23.3,54.2 20.8,54.2 20.8,55.4 26.9,55.4 26.9,39 19.7,39 19.7,29.8 20.9,29.8 20.9,26.9 22.3,26.9 22.3,24 17.9,24 17.9,40.9 23.3,40.9
NetD6_3 on Bottom Layer "`" (solid, pour order 454): -99.8,49.6 -99.8,58 -104,62.2 -104,74.1 -97.5,74.1 -97.5,62.6 -93.6,58.7 -93.6,48.7 -90.5,48.7 -90.5,45 -96.5,45 -96.5,49.6
NetD5_3 on Bottom Layer "`" (solid, pour order 453): -114.2,74.1 -107.2,74.1 -107.2,67.8 -109.5,65.5 -109.5,57.9 -108,56.4 -108,48.7 -104.9,48.7 -104.9,45 -110.9,45 -110.9,49.6 -114.2,49.6
NetD4_3 on Bottom Layer "`" (solid, pour order 452): -122.4,56.4 -116,62.8 -116,74 -122,74 -122,63.8 -128.6,57.2 -128.6,49.6 -125.3,49.6 -125.3,45 -119.3,45 -119.3,48.7 -122.4,48.7
P on Bottom Layer "NONET_L01_P-001" (solid, pour order 451): -86.586,45.213 -86.586,56.613 -92.786,56.613 -92.786,49.813 -89.486,49.813 -89.486,45.213
P on Bottom Layer "NONET_L01_P-001" (solid, pour order 450): -100.8,45 -100.8,56.4 -107,56.4 -107,49.6 -103.7,49.6 -103.7,45
P on Bottom Layer "NONET_L01_P-001" (solid, pour order 449): -115.2,45 -115.2,56.4 -121.4,56.4 -121.4,49.6 -118.1,49.6 -118.1,45
GND on GND "NONET_L01_P-001" (solid, pour order 260): -49.5,-69.8 -49.5,-76.8 -8.6,-76.8 -8.6,76.5 9.2,76.5 9.2,-77.4 -56.5,-77.4 -56.5,-69.8
CSGND on GND "NONET_L01_P-001" (solid, pour order 467): 66.3,-5.7 48.9,-5.7 48.9,-30.7 66.3,-30.7 66.3,-47.4 78.7,-47.4 78.7,56.2 66.3,56.2
DRV_VEE_DRVH1 on GND "NONET_L01_P-001" (solid, pour order 345): 28.1,-71 28.1,-66.7 35,-66.7 35,-35.5 15.5,-35.5 15.5,-71
RECT_VSSS on GND "NONET_L01_P-001" (solid, pour order 461): -29.1,27.6 -20.9,27.6 -20.9,29 -16.4,29 -16.4,19.2 -29.1,19.2
DRV_VEE_DRVL3 on GND "NONET_L01_P-001" (solid, pour order 350): -21.2,65 -15,65 -15,30.5 -20.4,30.5 -20.4,32.3 -26.9,32.3 -26.9,60.6 -21.2,60.6
DRV_VEE_DRVL1 on GND "NONET_L01_P-001" (solid, pour order 400): -21.2,-29 -15,-29 -15,-63.5 -20.4,-63.5 -20.4,-61.7 -26.9,-61.7 -26.9,-33.4 -21.2,-33.4
DRV_VEE_DRVL2 on GND "NONET_L01_P-001" (solid, pour order 376): -21.2,18 -15,18 -15,-16.5 -20.4,-16.5 -20.4,-14.7 -26.9,-14.7 -26.9,13.6 -21.2,13.6
DRV_VEE_DRVH2 on GND "NONET_L01_P-001" (solid, pour order 322): 28.1,-24 28.1,-19.7 35,-19.7 35,11.5 15.5,11.5 15.5,-24
DRV_VEE_DRVH3 on GND "NONET_L01_P-001" (solid, pour order 298): 28.1,23 28.1,27.3 35,27.3 35,58.5 15.5,58.5 15.5,23
+3V3 on VCC "NONET_L01_P-001" (solid, pour order 272): -8.6,70 -8.6,76.5 9.2,76.5 9.2,-76.6 -8.6,-76.6
CSVDD on VCC "NONET_L01_P-001" (solid, pour order 468): 66.3,-5.7 48.9,-5.7 48.9,-30.7 66.3,-30.7 66.3,-47.4 78.7,-47.4 78.7,56.2 66.3,56.2
DRV_VDD_DRVH1 on VCC "NONET_L01_P-001" (solid, pour order 344): 28.1,-71 28.1,-66.7 35,-66.7 35,-35.5 15.5,-35.5 15.5,-71
+24V on VCC "VCC-+24V" (solid, pour order 261): 31 vertices, not listed, extent -8.6,-77.4 9.1,61.8
RECT_VDDM on VCC "NONET_L01_P-001" (solid, pour order 462): -29.1,27.6 -20.9,27.6 -20.9,29 -16.4,29 -16.4,19.2 -29.1,19.2
DRV_VDD_DRVL3 on VCC "NONET_L01_P-001" (solid, pour order 356): -21.2,65 -15,65 -15,30.5 -20.4,30.5 -20.4,32.3 -26.9,32.3 -26.9,60.6 -21.2,60.6
DRV_VDD_DRVL1 on VCC "NONET_L01_P-001" (solid, pour order 404): -21.2,-29 -15,-29 -15,-63.5 -20.4,-63.5 -20.4,-61.7 -26.9,-61.7 -26.9,-33.4 -21.2,-33.4
DRV_VDD_DRVL2 on VCC "NONET_L01_P-001" (solid, pour order 380): -21.2,18 -15,18 -15,-16.5 -20.4,-16.5 -20.4,-14.7 -26.9,-14.7 -26.9,13.6 -21.2,13.6
DRV_VDD_DRVH2 on VCC "NONET_L01_P-001" (solid, pour order 321): 28.1,-24 28.1,-19.7 35,-19.7 35,11.5 15.5,11.5 15.5,-24
DRV_VDD_DRVH3 on VCC "NONET_L01_P-001" (solid, pour order 297): 28.1,23 28.1,27.3 35,27.3 35,58.5 15.5,58.5 15.5,23
+3V3 on VCC "NONET_L01_P-001" (solid, pour order 447): -8.6,-75.1 -8.6,-77.4 -56.5,-77.4 -56.5,-69.8 -49.5,-69.8 -49.5,-76.8 -10.1,-76.8 -10.1,-75.1

## Silkscreen, mask and mechanical layers (free items; w line width, h text height)
Board:
  lines w0.15: -10.1,66.3 -10,66.4 ; -135,-77 ccw(c-134.5,-77) -134.5,-77.5 79,-77.5 79,77 ccw(c78.5,77) 78.5,77.5 -134.5,77.5 ccw(c-134.5,77) -135,77 -135,-77 ; 72.4,-44.68 72.4,-42.58 76.6,-42.58 76.6,-44.68 72.4,-44.68 ; 72.4,2.32 72.4,4.42 76.6,4.42 76.6,2.32 72.4,2.32 ; 72.4,49.32 72.4,51.42 76.6,51.42 76.6,49.32 72.4,49.32